# Altium PCB RHR075_GFC_ECAT_DNET_RS485_ALL_rev5.PcbDoc (part 3 of 4)
Units mil, origin at the board's own origin, x right, y up, seen from the top; angles counter-clockwise.
Board outline 4724.41 x 5905.51 mil, 4 copper layers (Top Layer, GND, Mid-Layer 1, Bottom Layer); 386 components, 228 nets, 1523 pads, 966 vias.
Unrouted connection lines stored in the file: 1.
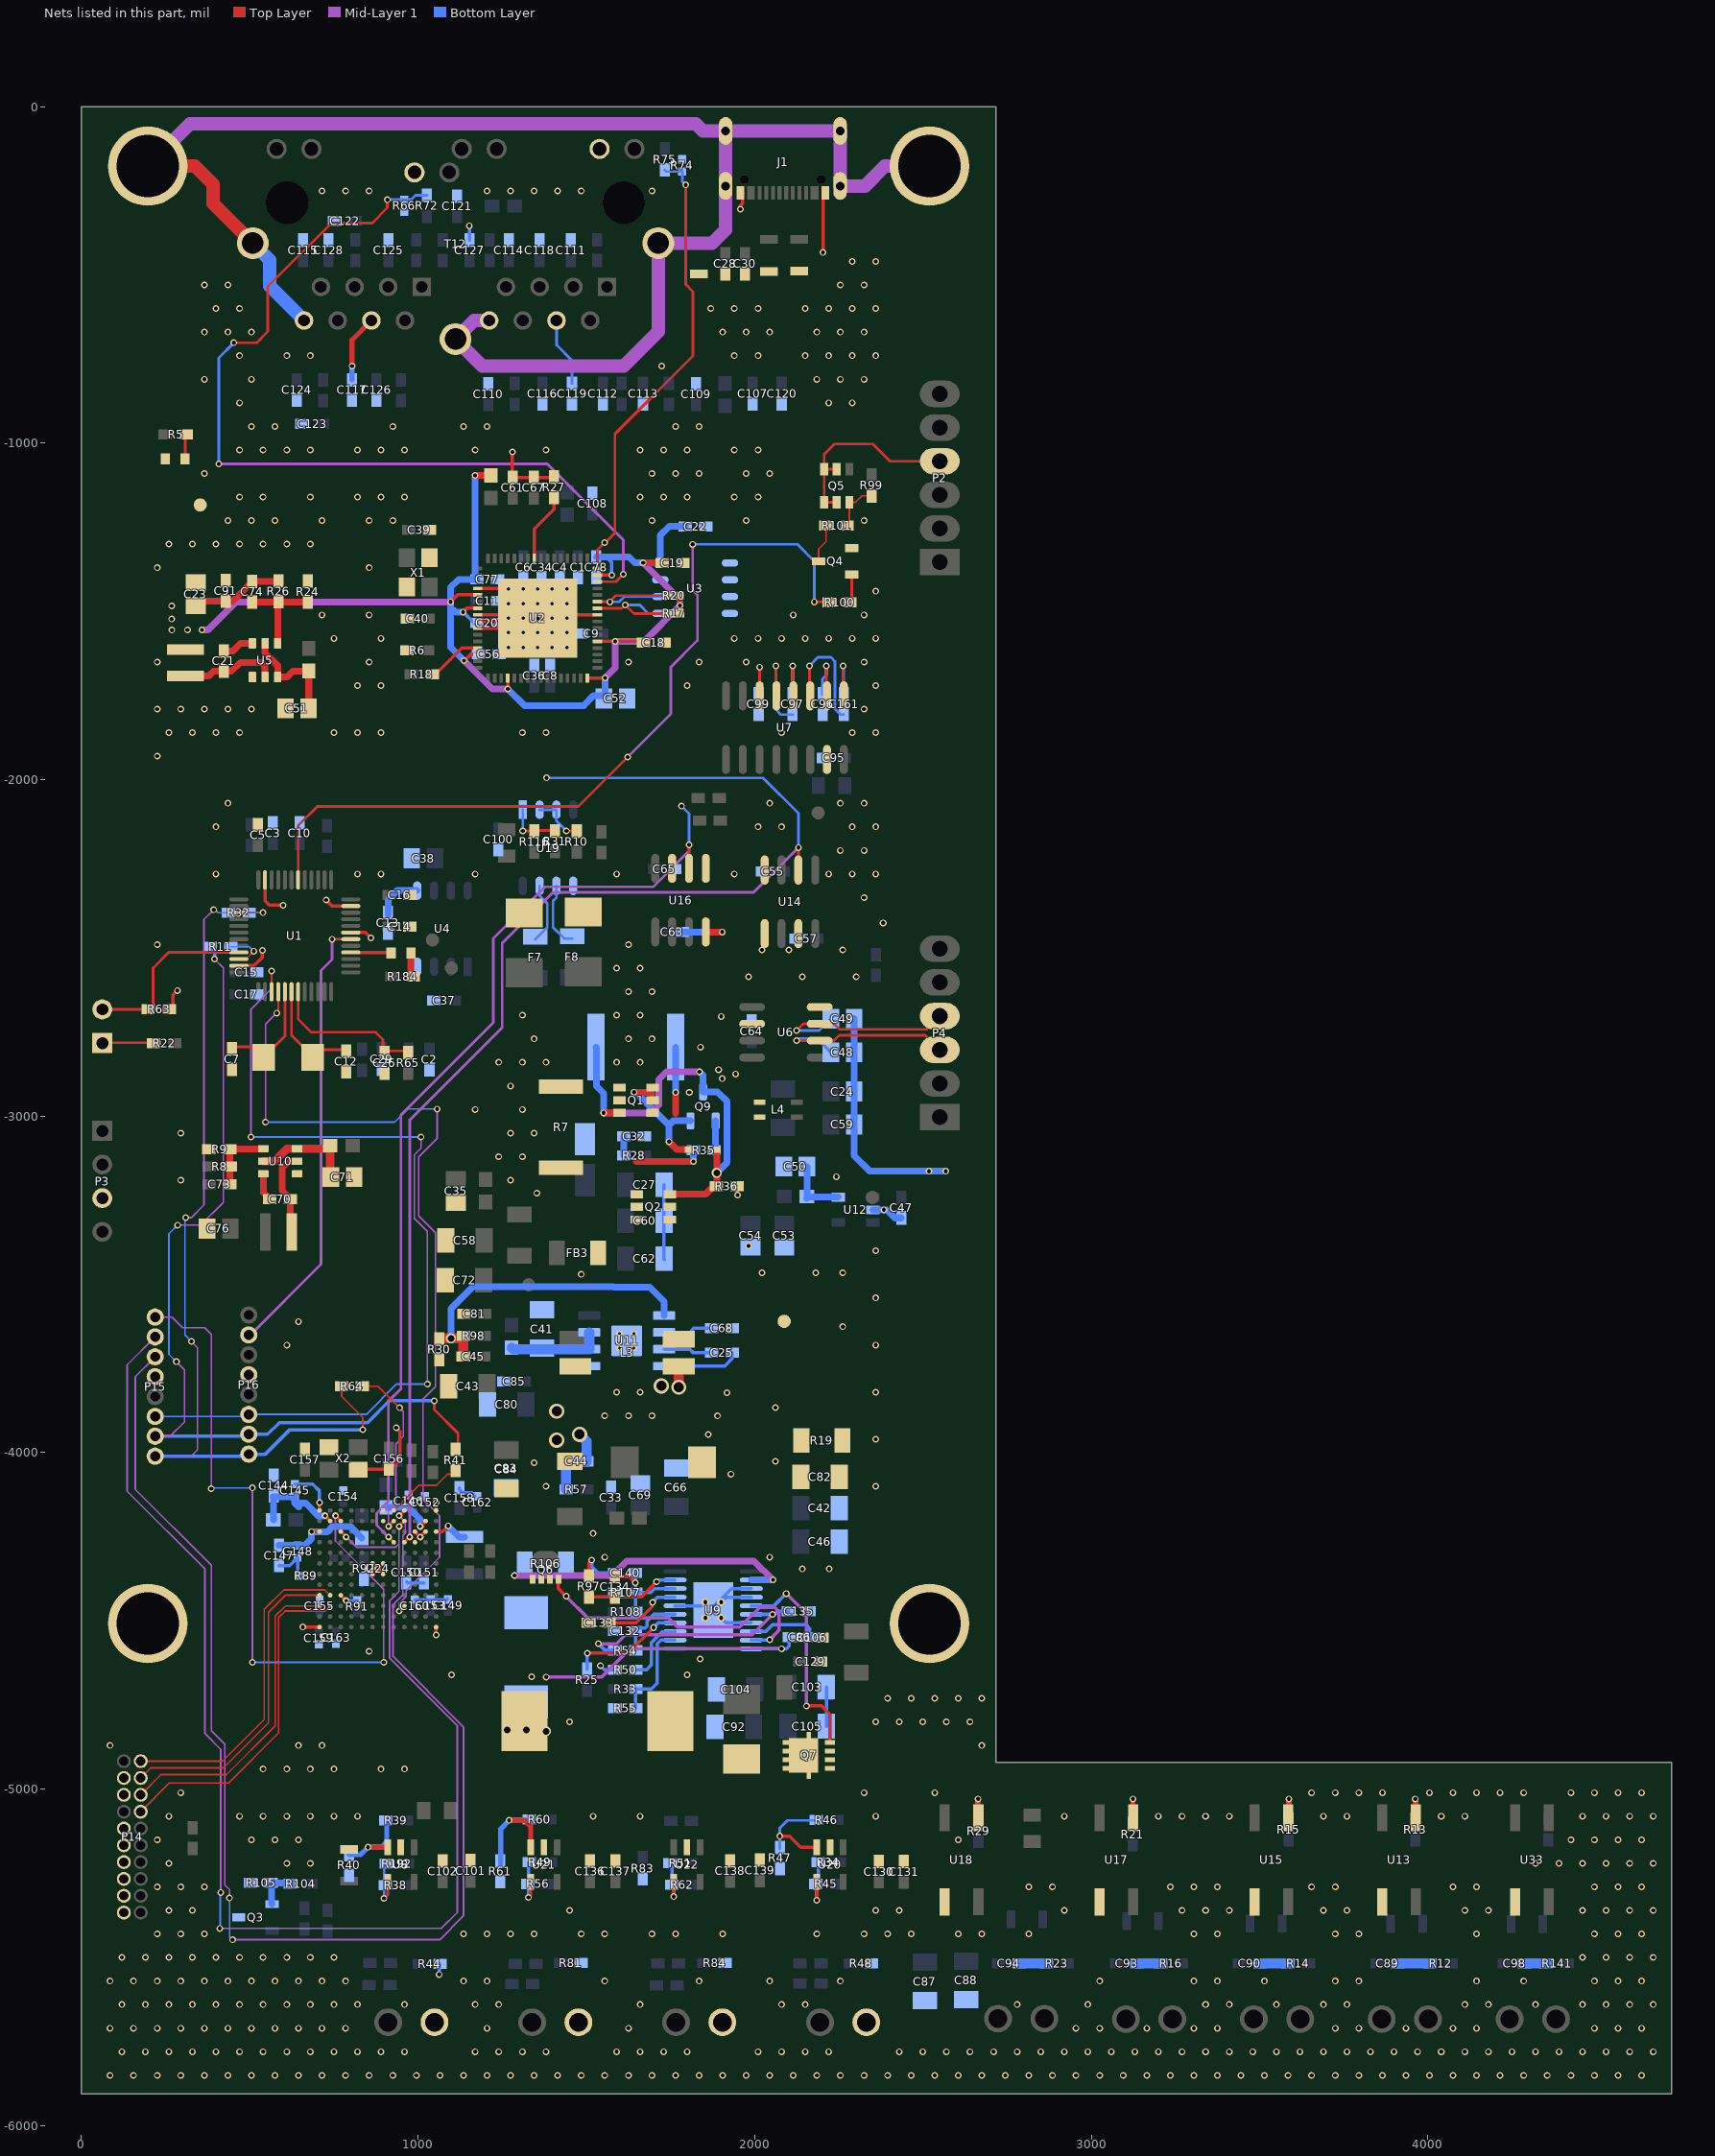
[diagram p5: the nets of this part, all layers, seen from the top]

## Via types
v1: diameter 20, hole 12, Top Layer to Bottom Layer, tented both sides, 860 vias
v2: diameter 30, hole 20, Top Layer to Bottom Layer, tented both sides, 27 vias
v3: diameter 19.68, hole 9.84, Top Layer to Bottom Layer, 25 vias
v4: diameter 20, hole 10, Top Layer to Bottom Layer, tented both sides, 20 vias
v5: diameter 45, hole 30, Top Layer to Bottom Layer, tented both sides, 13 vias
v6: diameter 40, hole 30, Top Layer to Bottom Layer, tented both sides, 8 vias
v7: diameter 24, hole 12, Top Layer to Bottom Layer, 4 vias
v8: diameter 19.68, hole 7.87, Top Layer to Bottom Layer, 4 vias
v9: diameter 60, hole 40, Top Layer to Bottom Layer, tented both sides, 2 vias
v10: diameter 40, hole 20, Top Layer to Bottom Layer, tented both sides, 1 vias
v11: diameter 80, hole 60, Top Layer to Bottom Layer, tented both sides, 1 vias
v12: diameter 40, hole 25, Top Layer to Bottom Layer, tented both sides, 1 vias

## Nets (pads, with @x,y where several pads share a name; then routed paths per layer and width w, separated by ;. In a path a pad name is that pad's centre, name@x,y a point inside that pad or via, vN(x,y) a via of type N, cw(c..) or ccw(c..) an arc to the next point about the centre after c; other vN are vias at no path point) (continued)
AGND: C1.2 C2.1 C3.1 C4.2 C5.1 C6.2 C7.2 C8.2 C9.2 C10.1 C11.2 C12.2 C13.2 C14.1 C15.1 C16.1 C17.1 C18.2 C19.2 C20.2 C22.2 C23.2 C26.1 C27.2 C28.1 C29.1 C30.1 C32.2 C34.2 C35.2 C36.2 C37.1 C38.1 C39.2 C40.2 C41.2 C43.2 C51.2 C52.2 C55.2 C56.2 C58.2 C60.2 C61.1 C62.2 C65.2 C67.2 C68.2 C71.2 C72.2 C76.2 C77.2 C78.2 C80.2 C81.2 C82.2 C83.2 C84.2 C85.2 C87.2 C88.2 C91.2 C92.2 C95.2 C96.2 C99.2 C100.1 C101.2 C102.2 C103.2 C104.2 C105.2 C106.2 C107.2 C108.2 C109.2 C110.2 C111.2 C112.2 C113.2 C114.2 C115.2 C116.2 C117.2 C118.2 C119.2 C120.2 C121.2 C122.2 C123.2 C124.2 C125.2 C126.2 C127.2 C128.2 C129.2 C130.2 C131.2 C132.2 C133.2 C135.1 C136.2 C137.2 C138.2 C139.2 C144.2 C145.2 C146.2 C147.2 C148.2 C149.2 C150.2 C151.2 C152.2 C153.2 C154.2 C155.2 C156.2 C157.2 C158.2 C159.2 C160.2 C162.2 C163.2 D5.1 D6.1 D8.1 D9.1 D13.1 D78.1 D79.1 J1.A1 J1.A12 J1.B1 J1.B12 L4.3 LED1.2 P1.1 P3.3 P5.1 P6.1 P8.1 P14.3 P14.5 P14.9 P14.11 P14.13 P14.15 P14.17 P14.19 P15.4 P16.4 Q3.3 Q4.2 Q7.1 Q7.2 Q7.3 R6.1 R9.1 R19.1 R24.1 R27.1 R30.1 R36.1 R40.2 R44.1 R47.2 R48.1 R50.2 R55.2 R61.2 R63.2 R66.1 R74.1 R81.1 R83.2 R84.1 R89.1 R92.2 R105.2 R106.2 R107.2 T5.1 T12.A10 T12.B10 U1.19 U1.23 U1.35 U1.47 U2.4 U2.8 U2.9 U2.10 U2.41 U2.65 U3.1 U3.2 U3.3 U3.4 U3.7 U4.4 U5.1 U7.15 U8.2 U9.6 U9.13 U9.14 U9.17 U9.21 U10.1 U11.1 U11.9 U13.3 U14.4 U15.3 U16.5 U16.7 U17.3 U18.3 U19.5 U20.2 U21.2 U22.2 U24.A1 U24.A12 U24.F6 U24.F7 U24.G6 U24.G7 U24.K2 U24.K3 U24.M1 U24.M12 U33.3 X1.2 X1.4 X2.2 X2.4 | length 3261.1
  Top Layer w10: R63.2@272.06,-2685 272.06,-2639.94 v1(285,-2627) ; U1.47@467.66,-2553.09 512.91,-2553.09 537,-2529 v1@537,-2509 ; U1.35@545.42,-2298.17 545.42,-2360.42 558,-2373 v1@601,-2373 ; v1(657.49,-4518.49) U24.A12@707.51,-4518.49 ; U24.M12@707.51,-4172.03 v1(707.51,-4148.5) ; v1(727,-2358) 744.61,-2375.61 800.02,-2375.61 U1.23@800.34,-2375.93 ; U1.19@800.34,-2454.67 843.67,-2454.67 v1@862,-2473 ; X2.4@822.05,-4050.72 823.77,-4049 C156.2@908.26,-4049 ; U24.F7@864.99,-4361.01 v4(880.74,-4345.26) ; U24.G7@864.99,-4329.51 v4(880.74,-4345.26) ; U24.F6@896.49,-4361.01 v4(880.74,-4345.26) ; U24.G6@896.49,-4329.51 v4(880.74,-4345.26) ; C156.2@906.54,-4050.72 C156.2@908.26,-4049 ; C156.2@913,-4049 C156.2@908.26,-4049 ; v1(935,-3926) 945.8,-3936.8 945.8,-4022.2 919.74,-4048.26 909,-4048.26 C156.2@908.26,-4049 ; U24.K3@990.98,-4235.02 v4(1006.72,-4250.77) U24.K2@1022.47,-4235.02 ; v1(1053.97,-4542.02) U24.A1@1053.97,-4518.49 ; U24.M1@1053.97,-4172.03 v1(1053.97,-4149.03) ; U2.10@1177.92,-1550 1278,-1550 U2.65@1279,-1549 ; U2.9@1177.92,-1530.31 1261.69,-1530.31 U2.65@1268,-1524 ; U2.8@1177.92,-1510.63 1257.63,-1510.63 U2.65@1268,-1521 ; U2.4@1177.92,-1431.89 1266.89,-1431.89 U2.65@1270,-1435 ; v1(1280.48,-1026.52) 1280.48,-1102.48 C67.2@1343.48,-1102.48 1402.5,-1102.48 R27.1@1404.48,-1100.5 ; U2.65@1448,-1510 1448.63,-1510.63 U2.41@1533.04,-1510.63 ; v1@1947.98,-3236.98 R36.1@1947.98,-3208 ; J1.A12@1952.11,-257 1963,-257 J1.B1@1963.92,-257.92 ; v1(1957.76,-305.37) 1957.76,-294.17 1963.92,-288 J1.B1@1963.92,-257.92 ; J1.B1@1963.92,-257 J1.B1@1963.92,-257.92 ; J1.B1@1965,-259 J1.B1@1963.92,-257.92 ; v1@2204.08,-433.08 J1.A1@2204.08,-257 J1.B12@2215.89,-257 J1.B12@2216,-257
  Bottom Layer w10: C147.2@587,-4336 618.53,-4336 C148.2@642,-4312.53 ; C145.2@634,-4093.97 686.97,-4093.97 707.51,-4114.51 v1(707.51,-4148.5) ; C148.2@642,-4312.03 C148.2@642,-4312.53 ; R89.1@650,-4369 642,-4361 C148.2@642,-4312.53 ; C150.2@966,-4384 969,-4387 C151.2@1018,-4387 ; C160.2@990.98,-4437.46 1085.54,-4437.46 C149.2@1088,-4435 ; v1(1063,-5551) R44.1@1063,-5518 ; C158.2@1123,-4105 1123,-4110 1133,-4120 1159.53,-4120 1169,-4129.47 C162.2@1169,-4129.97 ; C127.2@1152.46,-397 v1(1152.46,-354.46) ; v1(1542,-4633) 1554.14,-4645.14 R50.2@1585.02,-4645.14 ; C27.2@1730.58,-3203.51 C60.2@1730.58,-3311.51 C62.2@1730.58,-3423.51 1730.58,-3424.58 C62.2@1732,-3426 ; U9.6@1763.88,-4455.2 1842.56,-4455.2 v7(1853.38,-4444.38) ; v7(1900.62,-4444.38) 1915.39,-4429.61 U9.14@1990.12,-4429.61 ; U9.17@1990.12,-4506.39 1915.39,-4506.39 v7(1900.62,-4491.62) U9.21@1877,-4468 1877,-4458.07 1931.05,-4404.02 U9.13@1990.12,-4404.02 ; C105.2@2213.09,-4813 C103.2@2213.09,-4697
  other v1: 85,-5850.51 155,-5850.51 225,-5850.51 295,-5850.51 365,-5850.51 435,-5850.51 505,-5850.51 575,-5850.51 645,-5850.51 715,-5850.51 785,-5850.51 855,-5850.51 925,-5850.51 995,-5850.51 1065,-5850.51 1135,-5850.51 1205,-5850.51 1275,-5850.51 1345,-5850.51 1415,-5850.51 1485,-5850.51 1555,-5850.51 1625,-5850.51 1695,-5850.51 1765,-5850.51 1835,-5850.51 1905,-5850.51 1975,-5850.51 2045,-5850.51 2115,-5850.51 2185,-5850.51 2255,-5850.51 2325,-5850.51 2395,-5850.51 2465,-5850.51 2535,-5850.51 2605,-5850.51 2675,-5850.51 2745,-5850.51 2815,-5850.51 2885,-5850.51 2955,-5850.51 3025,-5850.51 3095,-5850.51 3165,-5850.51 3235,-5850.51 3305,-5850.51 3375,-5850.51 3445,-5850.51 3515,-5850.51 3585,-5850.51 3655,-5850.51 3725,-5850.51 3795,-5850.51 3865,-5850.51 3935,-5850.51 4005,-5850.51 4075,-5850.51 4145,-5850.51 4215,-5850.51 4285,-5850.51 4355,-5850.51 4425,-5850.51 4495,-5850.51 4565,-5850.51 4635,-5850.51 120,-5780.51 190,-5780.51 260,-5780.51 330,-5780.51 400,-5780.51 470,-5780.51 540,-5780.51 610,-5780.51 680,-5780.51 750,-5780.51 820,-5780.51 890,-5780.51 960,-5780.51 1170,-5780.51 1240,-5780.51 1310,-5780.51 1380,-5780.51 1590,-5780.51 1660,-5780.51 1730,-5780.51 1800,-5780.51 2010,-5780.51 2080,-5780.51 2150,-5780.51 2220,-5780.51 2430,-5780.51 2500,-5780.51 2570,-5780.51 2640,-5780.51 2710,-5780.51 2780,-5780.51 2850,-5780.51 2920,-5780.51 2990,-5780.51 3060,-5780.51 3130,-5780.51 3200,-5780.51 3270,-5780.51 3340,-5780.51 3410,-5780.51 3480,-5780.51 3550,-5780.51 3620,-5780.51 3690,-5780.51 3760,-5780.51 3830,-5780.51 3900,-5780.51 3970,-5780.51 4040,-5780.51 4110,-5780.51 4180,-5780.51 4250,-5780.51 4320,-5780.51 4390,-5780.51 4460,-5780.51 4530,-5780.51 4600,-5780.51 4670,-5780.51 85,-5710.51 155,-5710.51 225,-5710.51 295,-5710.51 365,-5710.51 435,-5710.51 505,-5710.51 575,-5710.51 645,-5710.51 715,-5710.51 785,-5710.51 1205,-5710.51 1625,-5710.51 2955,-5710.51 3025,-5710.51 3165,-5710.51 3305,-5710.51 3375,-5710.51 3725,-5710.51 3795,-5710.51 3935,-5710.51 4075,-5710.51 4145,-5710.51 4495,-5710.51 4565,-5710.51 4635,-5710.51 120,-5640.51 190,-5640.51 260,-5640.51 330,-5640.51 400,-5640.51 470,-5640.51 540,-5640.51 610,-5640.51 680,-5640.51 750,-5640.51 820,-5640.51 960,-5640.51 1170,-5640.51 1240,-5640.51 1660,-5640.51 2080,-5640.51 2150,-5640.51 2780,-5640.51 2990,-5640.51 3340,-5640.51 3410,-5640.51 3550,-5640.51 3690,-5640.51 3760,-5640.51 4110,-5640.51 4180,-5640.51 4320,-5640.51 4460,-5640.51 4530,-5640.51 4600,-5640.51 4670,-5640.51 85,-5570.51 155,-5570.51 225,-5570.51 295,-5570.51 365,-5570.51 435,-5570.51 505,-5570.51 575,-5570.51 645,-5570.51 715,-5570.51 785,-5570.51 1135,-5570.51 1205,-5570.51 1555,-5570.51 1835,-5570.51 2045,-5570.51 2255,-5570.51 3025,-5570.51 3305,-5570.51 3375,-5570.51 3515,-5570.51 3725,-5570.51 3795,-5570.51 4145,-5570.51 4285,-5570.51 4495,-5570.51 4565,-5570.51 4635,-5570.51 120,-5500.51 190,-5500.51 260,-5500.51 330,-5500.51 400,-5500.51 470,-5500.51 540,-5500.51 610,-5500.51 680,-5500.51 750,-5500.51 4460,-5500.51 4530,-5500.51 4600,-5500.51 4670,-5500.51 225,-5430.51 295,-5430.51 365,-5430.51 1135,-5430.51 1205,-5430.51 1275,-5430.51 1345,-5430.51 1485,-5430.51 1555,-5430.51 1695,-5430.51 1765,-5430.51 1905,-5430.51 2185,-5430.51 2325,-5430.51 2395,-5430.51 2465,-5430.51 2605,-5430.51 2675,-5430.51 2815,-5430.51 3305,-5430.51 3375,-5430.51 3725,-5430.51 3795,-5430.51 4145,-5430.51 4495,-5430.51 4565,-5430.51 4635,-5430.51 260,-5360.51 330,-5360.51 1450,-5360.51 2360,-5360.51 2430,-5360.51 2920,-5360.51 3270,-5360.51 3340,-5360.51 3410,-5360.51 3690,-5360.51 3760,-5360.51 4110,-5360.51 4180,-5360.51 4460,-5360.51 4530,-5360.51 4600,-5360.51 4670,-5360.51 225,-5290.51 295,-5290.51 365,-5290.51 2815,-5290.51 2885,-5290.51 3235,-5290.51 3305,-5290.51 3375,-5290.51 3655,-5290.51 3725,-5290.51 4075,-5290.51 4145,-5290.51 4495,-5290.51 4565,-5290.51 4635,-5290.51 260,-5220.51 610,-5220.51 680,-5220.51 4320,-5220.51 4390,-5220.51 4460,-5220.51 4530,-5220.51 4600,-5220.51 4670,-5220.51 225,-5150.51 505,-5150.51 575,-5150.51 645,-5150.51 2605,-5150.51 4425,-5150.51 4495,-5150.51 4565,-5150.51 4635,-5150.51 260,-5080.51 470,-5080.51 540,-5080.51 610,-5080.51 680,-5080.51 750,-5080.51 820,-5080.51 1520,-5080.51 1660,-5080.51 2360,-5080.51 2920,-5080.51 3200,-5080.51 3270,-5080.51 3340,-5080.51 3410,-5080.51 3690,-5080.51 3760,-5080.51 4040,-5080.51 4110,-5080.51 4460,-5080.51 4530,-5080.51 4600,-5080.51 4670,-5080.51 295,-5010.51 2325,-5010.51 2535,-5010.51 3655,-5010.51 3725,-5010.51 3795,-5010.51 3865,-5010.51 4005,-5010.51 4075,-5010.51 4145,-5010.51 4215,-5010.51 4285,-5010.51 4425,-5010.51 4495,-5010.51 4565,-5010.51 4635,-5010.51 540,-4940.51 610,-4940.51 680,-4940.51 750,-4940.51 890,-4940.51 960,-4940.51 85,-4870.51 645,-4870.51 715,-4870.51 2675,-4870.51 1450,-4800.51 2360,-4800.51 2430,-4800.51 2500,-4800.51 2570,-4800.51 2640,-4800.51 2395,-4730.51 2465,-4730.51 2535,-4730.51 2605,-4730.51 2675,-4730.51 1100,-4660.51 1800,-4660.51 1838,-4613 855,-4590.51 1555,-4310.51 2045,-4310.51 1520,-4240.51 1380,-4100.51 2360,-4100.51 1345,-4030.51 2360,-3960.51 1555,-3890.51 1625,-3890.51 1695,-3890.51 1590,-3820.51 1660,-3820.51 2360,-3820.51 610,-3680.51 2360,-3680.51 645,-3610.51 2360,-3540.51 1485,-3470.51 2360,-3400.51 1949,-3235 1352.89,-3228.8 295,-3190.51 1275,-3190.51 1240,-3120.51 1310,-3120.51 295,-3050.51 1275,-3050.51 1345,-3050.51 1170,-2980.51 1310,-2980.51 1806,-2930 1275,-2910.51 1904,-2889 1944,-2875 1893,-2862 1240,-2840.51 1310,-2840.51 1380,-2840.51 1590,-2840.51 1660,-2840.51 1839,-2795 1345,-2770.51 1625,-2770.51 1695,-2770.51 1901,-2704 1310,-2700.51 1590,-2700.51 1660,-2700.51 1625,-2630.51 1695,-2630.51 1590,-2560.51 1660,-2560.51 538,-2508 225,-2490.51 1625,-2490.51 860,-2471 599,-2374 2325,-2350.51 400,-2280.51 820,-2280.51 890,-2280.51 1170,-2280.51 1590,-2280.51 1940,-2280.51 2220,-2280.51 2290,-2280.51 2360,-2280.51 2255,-2210.51 2325,-2210.51 400,-2140.51 2010,-2140.51 2080,-2140.51 2290,-2140.51 2360,-2140.51 435,-2070.51 2045,-2070.51 2255,-2070.51 2325,-2070.51 225,-1930.51 260,-1860.51 330,-1860.51 400,-1860.51 470,-1860.51 750,-1860.51 820,-1860.51 890,-1860.51 1310,-1860.51 1380,-1860.51 2080,-1860.51 2290,-1860.51 2360,-1860.51 225,-1790.51 295,-1790.51 365,-1790.51 435,-1790.51 505,-1790.51 2325,-1790.51 820,-1720.51 890,-1720.51 1800,-1720.51 2360,-1720.51 225,-1650.51 855,-1650.51 1625,-1650.51 1835,-1650.51 1975,-1650.51 2325,-1650.51 750,-1580.51 890,-1580.51 1940,-1580.51 2010,-1580.51 2080,-1580.51 2150,-1580.51 2220,-1580.51 2290,-1580.51 2360,-1580.51 715,-1510.51 855,-1510.51 2115,-1510.51 2325,-1510.51 2360,-1440.51 225,-1370.51 855,-1370.51 260,-1300.51 330,-1300.51 400,-1300.51 470,-1300.51 540,-1300.51 610,-1300.51 680,-1300.51 435,-1230.51 505,-1230.51 575,-1230.51 715,-1230.51 855,-1230.51 925,-1230.51 1695,-1230.51 1975,-1230.51 2325,-1230.51 470,-1160.51 540,-1160.51 680,-1160.51 820,-1160.51 890,-1160.51 960,-1160.51 1660,-1160.51 1730,-1160.51 1800,-1160.51 1940,-1160.51 2010,-1160.51 365,-1090.51 1695,-1090.51 1765,-1090.51 1835,-1090.51 1975,-1090.51 2045,-1090.51 470,-1020.51 540,-1020.51 610,-1020.51 680,-1020.51 820,-1020.51 890,-1020.51 960,-1020.51 1170,-1020.51 1380,-1020.51 1660,-1020.51 1730,-1020.51 1800,-1020.51 1940,-1020.51 2010,-1020.51 505,-950.51 575,-950.51 925,-950.51 1135,-950.51 1205,-950.51 1765,-950.51 1835,-950.51 470,-880.51 2220,-880.51 2290,-880.51 365,-810.51 505,-810.51 2185,-810.51 2255,-810.51 2325,-810.51 1724,-771 470,-740.51 610,-740.51 680,-740.51 1940,-740.51 2010,-740.51 2150,-740.51 2220,-740.51 2290,-740.51 2360,-740.51 365,-670.51 435,-670.51 505,-670.51 1905,-670.51 1975,-670.51 2045,-670.51 2185,-670.51 2255,-670.51 2325,-670.51 400,-600.51 470,-600.51 1870,-600.51 1940,-600.51 2010,-600.51 2150,-600.51 2220,-600.51 2290,-600.51 2360,-600.51 365,-530.51 435,-530.51 2255,-530.51 2325,-530.51 2290,-460.51 2360,-460.51 2203,-434 715,-250.51 785,-250.51 855,-250.51 1205,-250.51 1275,-250.51 1345,-250.51 1415,-250.51 1485,-250.51 1695,-250.51
  other v3: 1268.87,-1607.08 1312.17,-1607.08 1355.48,-1607.08 1398.79,-1607.08 1442.09,-1607.08 1268.87,-1563.78 1312.17,-1563.78 1355.48,-1563.78 1398.79,-1563.78 1442.09,-1563.78 1268.87,-1520.47 1312.17,-1520.47 1355.48,-1520.47 1398.79,-1520.47 1442.09,-1520.47 1268.87,-1477.16 1312.17,-1477.16 1355.48,-1477.16 1398.79,-1477.16 1442.09,-1477.16 1268.87,-1433.85 1312.17,-1433.85 1355.48,-1433.85 1398.79,-1433.85 1442.09,-1433.85
  other v7: 1853.38,-4491.62
  other v8: 1598.35,-3689.65 1641.65,-3689.65 1598.35,-3646.35 1641.65,-3646.35
BOD: U24.J3
BOOT0: P9.2 R63.1 U1.45 | length 550.7
  Top Layer w8: P9.2@62,-2683 211,-2683 213,-2685 213,-2560 259.28,-2513.72 U1.45@467.66,-2513.72
Buck_VCC: C135.2 R54.1 U9.16 | length 724.7
  Mid-Layer 1 w10: v1(1536,-4568) 1589.79,-4568 1616.5,-4541.28 1992.72,-4541.28 v1(2053,-4481)
  Bottom Layer w10: v1(1536,-4568) 1555.71,-4587.71 R54.1@1585.02,-4587.71 ; U9.16@1990.12,-4480.79 2059.21,-4480.79 2068,-4472 C135.2@2101,-4472
CAN_N: C48.1 P4.3 U6.6 | length 576.7
  Top Layer w8: v1(2125,-2775.51) 2192.91,-2775.51 U6.6@2193.39,-2776 2236,-2776 2252,-2760 2507,-2760 P4.3@2550,-2803
  Mid-Layer 1 w8: v1(2125,-2775.51) v1@2125,-2769.51
  Bottom Layer w8: v1(2125,-2775.51) 2131,-2769.51 2185.55,-2769.51 C48.1@2226.55,-2810.51
CAN_P: C49.1 P4.4 U6.7 | length 575.9
  Top Layer w8: v1(2125,-2745.51) 2144.51,-2726 U6.7@2193.39,-2726 2236,-2726 2252,-2742 2511,-2742 P4.4@2550,-2703
  Bottom Layer w8: v1@2121.06,-2745.51 v1(2125,-2745.51) 2191.55,-2745.51 C49.1@2226.55,-2710.51
CAN_RX: U16.6 U24.J5 | length 2860.2
  Top Layer w8: U16.6@1805,-2264.02 v1(1805,-2194)
  Top Layer w10: v4(912.24,-4250.77) U24.J5@927.98,-4266.52
  Mid-Layer 1 w8: v4(912.24,-4250.77) 877,-4215.54 877,-4180 912.24,-4144.76 912.24,-3847.22 949.23,-3810.23 949.23,-2997 1224,-2722.23 1224,-2472 1377,-2319 1698,-2319 1805,-2212 v1(1805,-2194)
  Bottom Layer w8: v1(1783,-2079) 1805,-2101 v1(1805,-2194)
CAN_TX: U14.2 U24.J4 | length 3859
  Top Layer w8: U14.2@2130,-2269.02 v1(2130,-2202)
  Top Layer w10: U24.J4@959.48,-4266.52 v4(975.23,-4250.77)
  Mid-Layer 1 w8: v4(975.23,-4250.77) 975.23,-3011.77 1250,-2737 1250,-2486 1401,-2335 1997,-2335 v1(2130,-2202)
  Bottom Layer w8: v1(1382,-1995) 2025,-1995 2130,-2100 v1(2130,-2202)
CDG_ZERO: R100.1 U1.30 | length 2495.4
  Top Layer w8: U1.30@643.84,-2298.17 643.84,-2137.16 701,-2080 1476,-2080 v1(1623,-1933) ; v1(2177,-1472) 2220.02,-1472 R100.1@2221.02,-1473
  Mid-Layer 1 w8: v1(1623,-1933) 1751,-1805 1751,-1666 1830,-1587 1830,-1451 1816,-1437 v1(1816,-1301)
  Bottom Layer w8: v1(1816,-1301) 2127,-1301 2177,-1351 v1(2177,-1472)
EARTH: C24.2 C48.2 C49.2 C59.2 J1.1 T6.1 T7.1 T9.1 T10.1 T12.A8 T12.B8 T12.S1 T12.S2 T12.S3 | length 5602.7
  Top Layer w40: T6.1@196.85,-177.17 337.17,-177.17 391,-231 391,-287.89 T12.S3@509.09,-405.99
  Mid-Layer 1 w40: T6.1@196.85,-177.17 322.98,-51.04 1825.42,-51.04 1847,-72.62 J1.1@1913.92,-72.62 ; T12.A8@1211.46,-635.91 1166.58,-635.91 T12.S2@1111.46,-691.02 1191.43,-771 1241,-771 ; 1215.98,-771 1241,-771 ; T7.1@2519.69,-177.17 2386.83,-177.17 2328,-236 J1.1@2254.08,-236 J1.1@2254.08,-72.62 J1.1@1913.92,-72.62 ; 1241,-771 1612,-771 1713.82,-669.18 T12.S1@1713.82,-405.99 1874.01,-405.99 1913.92,-366.08 J1.1@1913.92,-236 J1.1@1913.92,-72.62
  Bottom Layer w20: C49.2@2295.45,-2710.51 C48.2@2295.45,-2810.51 C24.2@2295.45,-2927 C59.2@2295.45,-3025 2295.45,-3117.45 2342,-3164 v1(2568,-3164)